# Altium PCB PCB_Organo_Prueba_V3.PcbDoc (part 2 of 2)
Units mm, origin at the board's own origin, x right, y up, seen from the top; angles counter-clockwise.
Board outline 127.36 x 89.76 mm, 2 copper layers (Top Layer, Bottom Layer); 91 components, 109 nets, 411 pads, 117 vias.
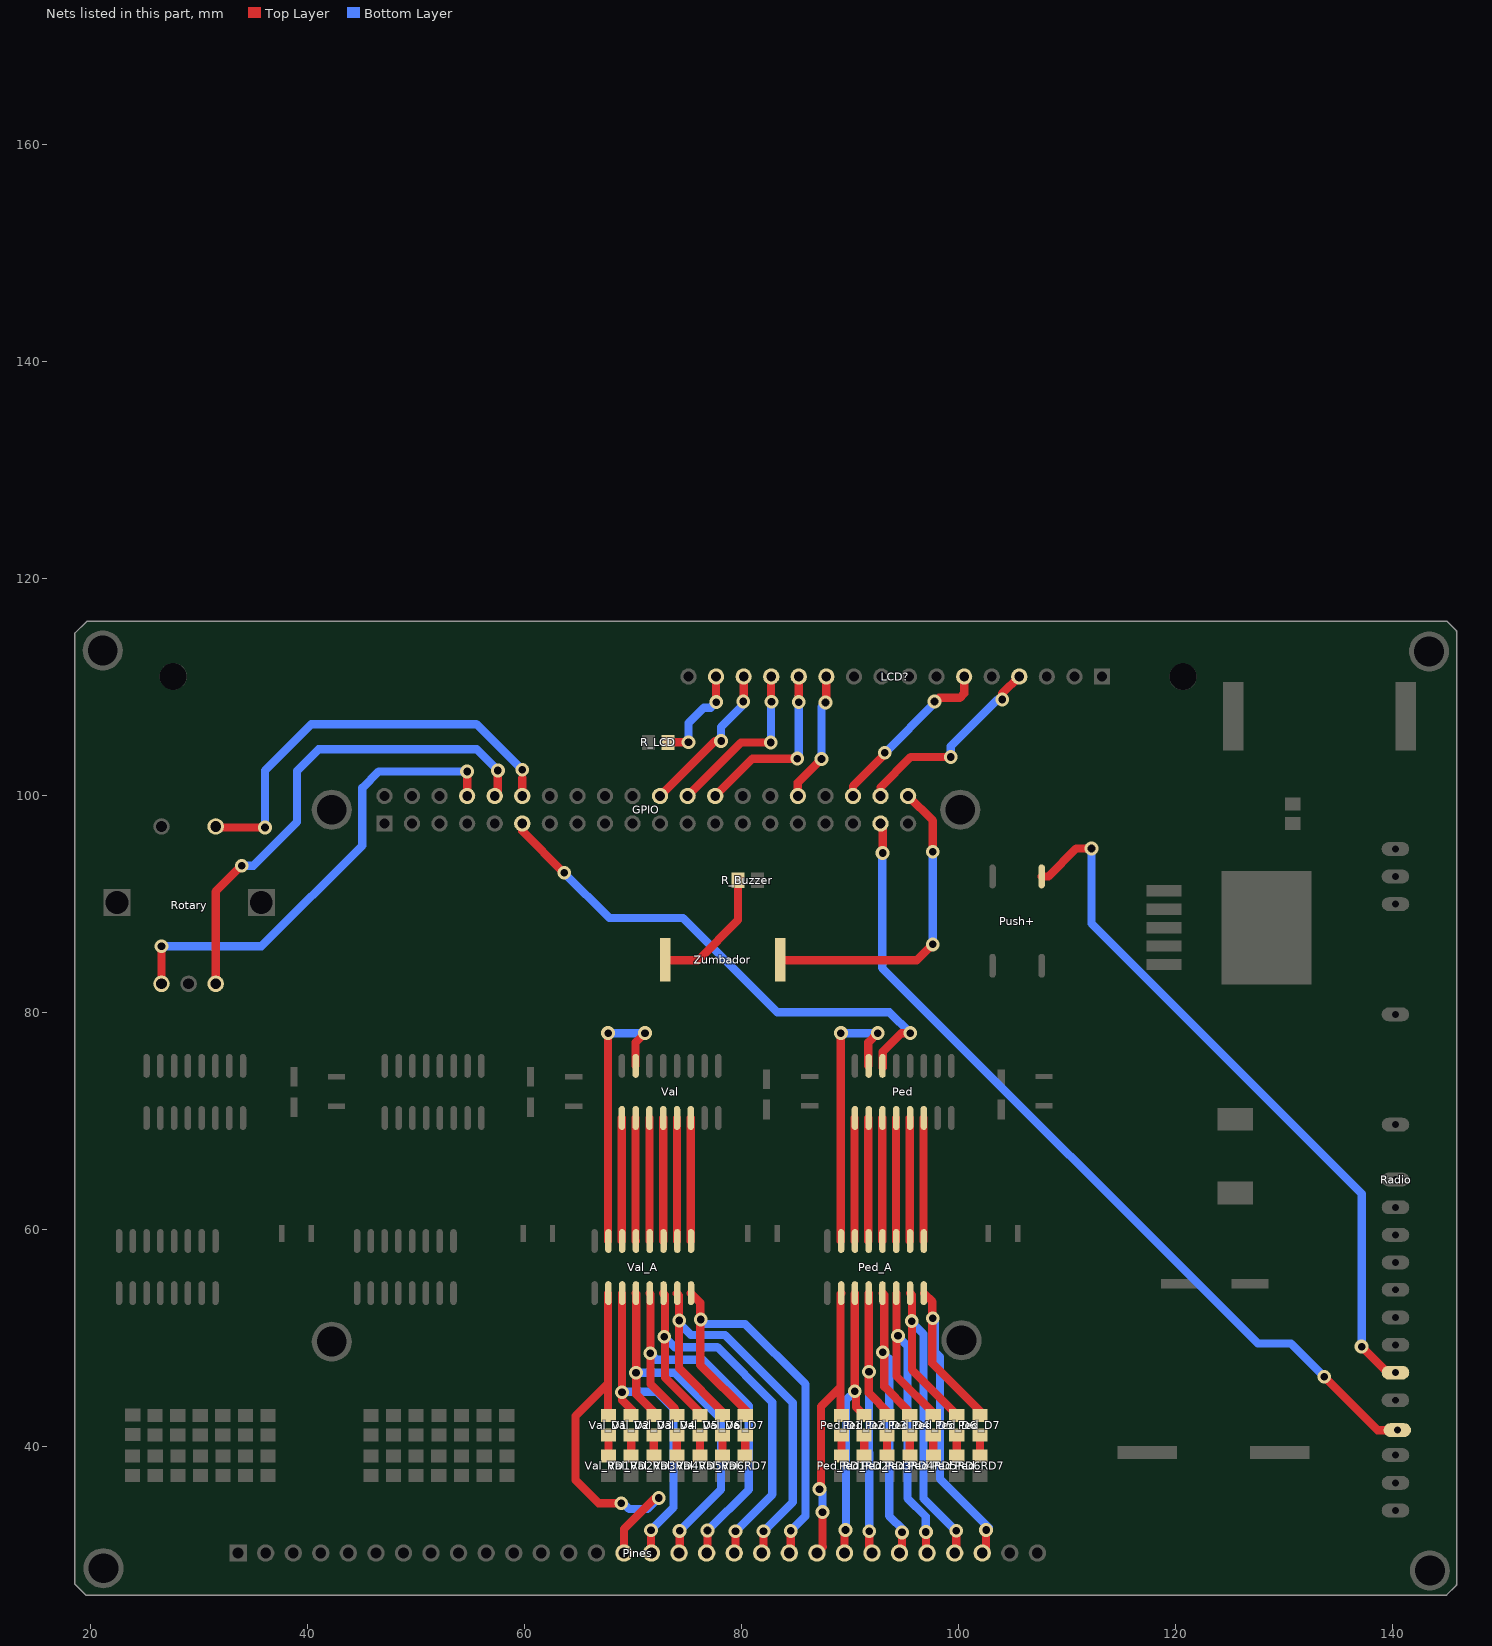
[diagram p2: the nets of this part, all layers, seen from the top]

## Via types
v1: diameter 1.27, hole 0.711, Top Layer to Bottom Layer, 117 vias

## Nets (pads, with @x,y where several pads share a name; then routed paths per layer and width w, separated by ;. In a path a pad name is that pad's centre, name@x,y a point inside that pad or via, vN(x,y) a via of type N, cw(c..) or ccw(c..) an arc to the next point about the centre after c; other vN are vias at no path point) (continued)
NetGPIO_8: GPIO.8 Rotary.A | length 43.7
  Top Layer w0.762: Rotary.A@26.518,82.677 v1(26.518,86.144) ; GPIO.8@54.686,99.987 v1(54.686,102.248)
  Bottom Layer w0.762: v1(26.518,86.144) 35.738,86.144 45.021,95.428 45.021,100.736 46.533,102.248 v1(54.686,102.248)
NetGPIO_10: GPIO.10 Rotary.B | length 46
  Top Layer w0.762: Rotary.B@31.518,82.677 31.518,91.169 v1(33.909,93.561) ; GPIO.10@57.226,99.987 57.518,100.279 v1(57.518,102.337)
  Bottom Layer w0.762: v1(33.909,93.561) 34.989,93.561 39.014,97.587 39.014,102.298 40.996,104.28 55.575,104.28 v1(57.518,102.337)
NetGPIO_11: GPIO.11 Ped.14 | length 48.9
  Top Layer w0.762: GPIO.11@59.766,97.447 59.766,96.761 v1(63.627,92.9) ; Ped.14@92.977,74.968 92.977,76.403 94.704,78.13 v1(95.529,78.13)
  Bottom Layer w0.762: v1(63.627,92.9) 67.793,88.735 74.587,88.735 83.274,80.048 93.612,80.048 v1(95.529,78.13)
NetGPIO_12: GPIO.12 Rotary.E | length 38.8
  Top Layer w0.762: Rotary.E@31.518,97.177 31.622,97.072 v1(36.062,97.072) ; GPIO.12@59.766,99.987 59.766,101.625 59.792,101.651
  Bottom Layer w0.762: v1(36.062,97.072) 36.062,102.343 40.322,106.604 55.537,106.604 v1@59.766,102.375
  other v1: 59.766,102.4
NetGPIO_22: GPIO.22 LCD?.14 | length 14.8
  Top Layer w0.762: GPIO.22@72.466,99.987 77.534,105.054 v1(78.092,105.054) ; v1(80.137,108.687) 80.17,108.72 LCD?.14@80.17,110.99
  Bottom Layer w0.762: v1(78.092,105.054) 78.092,106.35 80.124,108.382 v1@80.124,108.991
NetGPIO_24: GPIO.24 LCD?.13 | length 16.1
  Top Layer w0.762: GPIO.24@75.006,99.987 79.934,104.915 v1(82.677,104.915) ; v1@82.69,108.991 82.69,110.97 LCD?.13@82.71,110.99
  Bottom Layer w0.762: v1(82.677,104.915) 82.69,104.927 v1@82.69,109.245
  other v1: 82.74,108.674
NetGPIO_26: GPIO.26 LCD?.12 | length 16.9
  Top Layer w0.762: GPIO.26@77.546,99.987 80.988,103.429 v1(85.103,103.429) ; v1@85.242,108.928 85.242,110.982 LCD?.12@85.25,110.99
  Bottom Layer w0.762: v1(85.103,103.429) 85.242,103.569 v1@85.242,109.182
  other v1: 85.242,108.636
NetGPIO_32: GPIO.32 LCD?.11 | length 12
  Top Layer w0.762: GPIO.32@85.166,99.987 85.166,101.219 v1(87.338,103.391) ; v1@87.79,108.598 LCD?.11@87.79,110.99
  Bottom Layer w0.762: v1(87.338,103.391) 87.338,108.217 87.465,108.344 v1@87.719,108.344
  other v1: 87.719,108.598
NetGPIO_36: GPIO.36 LCD?.6 | length 16.4
  Top Layer w0.762: GPIO.36@90.246,99.987 90.246,100.889 v1@93.383,104.026 ; v1@97.796,108.655 98.171,109.029 100.089,109.029 100.49,109.431 LCD?.6@100.49,110.99
  Bottom Layer w0.762: v1(93.18,103.962) v1@97.765,108.547
  other v1: 97.765,108.687
NetGPIO_37: GPIO.37 Radio.22 | length 78.5
  Top Layer w0.762: GPIO.37@92.786,97.447 92.977,97.257 v1(92.977,94.729) ; v1(133.667,46.469) 138.595,41.542 Radio.22@140.411,41.542
  Bottom Layer w0.762: v1@92.939,94.729 92.939,84.15 127.559,49.53 130.607,49.53 v1(133.667,46.469)
NetGPIO_38: GPIO.38 LCD?.4 | length 18.7
  Top Layer w0.762: GPIO.38@92.786,99.987 92.786,100.787 95.567,103.569 v1(99.263,103.569) ; v1(104,108.877) 104,109.42 LCD?.4@105.57,110.99
  Bottom Layer w0.762: v1(99.263,103.569) 99.263,104.572 103.569,108.877 v1(104,108.877)
NetGPIO_40: GPIO.40 Zumbador.1 | length 29.4
  Top Layer w0.762: Zumbador.1@83.515,84.836 96.114,84.836 v1(97.587,86.309) ; GPIO.40@95.326,99.987 97.599,97.714 v1(97.599,94.844)
  Bottom Layer w0.762: v1(97.587,86.309) v1@97.587,94.907
NetLCD?_15: LCD?.15 R_LCD.1 | length 9.4
  Top Layer w0.762: R_LCD.1@73.188,104.927 v1(75.095,104.927) ; v1@77.622,108.636 77.622,110.982 LCD?.15@77.63,110.99
  Bottom Layer w0.762: v1(75.095,104.927) 75.095,106.718 76.505,108.128 77.127,108.128 v1(77.635,108.636)
NetPed_1: Ped.1 Ped_A.6 | length 11.3
  Top Layer w0.508: Ped_A.6@90.393,58.975 Ped_A.6@90.399,58.969
  Top Layer w0.762: Ped_A.6@90.393,58.975 Ped.1@90.393,70.312
NetPed_2: Ped.2 Ped_A.5 | length 11.3
  Top Layer w0.762: Ped.2@91.663,70.312 91.663,58.975 Ped_A.5@91.669,58.969
NetPed_3: Ped.3 Ped_A.4 | length 11.3
  Top Layer w0.762: Ped.3@92.933,70.312 92.933,58.975 Ped_A.4@92.939,58.969
NetPed_4: Ped.4 Ped_A.3 | length 11.3
  Top Layer w0.762: Ped.4@94.203,70.312 94.203,58.975 Ped_A.3@94.209,58.969
NetPed_5: Ped.5 Ped_A.2 | length 11.3
  Top Layer w0.762: Ped.5@95.473,70.312 95.473,58.975 Ped_A.2@95.479,58.969
NetPed_6: Ped.6 Ped_A.1 | length 11.3
  Top Layer w0.762: Ped.6@96.743,70.312 96.749,70.306 Ped_A.1@96.749,58.969
NetPed_15: Ped.15 Ped_A.7 | length 25.9
  Top Layer w0.762: Ped_A.7@89.129,58.969 v1(89.129,78.13) ; Ped.15@91.663,75.112 91.663,77.286 91.675,77.286 v1(92.519,78.13)
  Bottom Layer w0.762: v1(89.129,78.13) v1(92.519,78.13)
NetPed_A_10: Ped_A.10 Ped_D1.2 Pines.22 | length 27.8
  Top Layer w0.762: Pines.22@86.919,30.213 87.49,30.785 87.427,30.848 v1(87.427,33.985) ; v1(87.16,36.106) 87.3,36.246 87.3,43.713 89.09,45.504 ; Ped_A.10@89.167,54.156 89.09,54.08 89.09,45.504 ; Ped_D1.2@89.18,42.905 89.09,42.994 89.09,45.504
  Bottom Layer w0.762: v1(87.16,36.106) 87.427,35.839 v1(87.427,33.985)
NetPed_A_11: Ped_A.11 Ped_D2.2 Pines.23 | length 26.8
  Top Layer w0.762: Pines.23@89.459,30.213 89.459,32.233 v1(89.56,32.334) ; v1@90.399,45.123 90.399,54.118 Ped_A.11@90.437,54.156 ; v1(90.411,45.123) 90.527,45.007 90.527,43.659 Ped_D2.2@91.211,42.975
  Bottom Layer w0.762: v1@89.599,32.334 89.599,44.31 v1(90.411,45.123)
NetPed_A_12: Ped_A.12 Ped_D3.2 Pines.24 | length 28.6
  Top Layer w0.762: Ped_A.12@91.707,54.156 91.707,44.958 Ped_D3.2@93.568,43.097 ; v1(91.745,32.233) 91.745,30.467 Pines.24@91.999,30.213
  Bottom Layer w0.762: v1(91.719,46.914) v1(91.745,32.233)
NetPed_A_13: Ped_A.13 Ped_D4.2 Pines.25 | length 31.7
  Top Layer w0.762: Ped_A.13@92.977,54.156 93.129,54.004 93.129,45.542 95.275,43.396 Ped_D4.2@95.275,42.683 ; Pines.25@94.539,30.213 94.767,30.442 v1(94.767,32.118)
  Bottom Layer w0.762: v1(92.989,48.717) 93.586,48.12 93.586,33.642 v1@94.939,32.29
NetPed_A_14: Ped_A.14 Ped_D5.2 Pines.26 | length 33.6
  Top Layer w0.762: Ped_A.14@94.247,54.156 94.259,54.143 94.259,46.507 Ped_D5.2@97.753,43.014 ; v1(96.965,32.156) 96.965,30.328 Pines.26@97.079,30.213
  Bottom Layer w0.762: v1@94.31,50.241 95.275,49.276 95.275,35.255 96.952,33.579 v1@96.952,32.271
  other v1: 94.399,50.228
NetPed_A_15: Ped_A.15 Ped_D6.2 Pines.27 | length 36.2
  Top Layer w0.762: Ped_A.15@95.517,54.156 95.682,53.991 95.682,47.104 Ped_D6.2@99.829,42.957 ; Pines.27@99.619,30.213 99.771,30.366 v1(99.771,32.271)
  Bottom Layer w0.762: v1@95.58,51.575 96.753,50.402 96.753,35.251 v1@99.752,32.252
  other v1: 95.656,51.587
NetPed_A_16: Ped_A.16 Ped_D7.2 Pines.28 | length 37
  Top Layer w0.762: Ped_A.16@96.787,54.156 97.561,53.381 97.561,47.676 Ped_D7.2@102.134,43.103 ; Pines.28@102.159,30.213 102.514,30.569 v1(102.514,32.334)
  Bottom Layer w0.762: v1(97.599,51.854) 97.769,51.685 97.769,48.793 98.26,48.302 98.26,37.059 v1@102.749,32.569
NetPed_D1_1: Ped_D1.1 Ped_RD1.1 | length 1.9
  Top Layer w0.762: Ped_RD1.1@89.192,39.178 Ped_D1.1@89.192,41.086
NetPed_D2_1: Ped_D2.1 Ped_RD2.1 | length 1.9
  Top Layer w0.762: Ped_RD2.1@91.275,39.178 Ped_D2.1@91.275,41.086
NetPed_D3_1: Ped_D3.1 Ped_RD3.1 | length 1.9
  Top Layer w0.762: Ped_RD3.1@93.37,39.178 Ped_D3.1@93.37,41.086
NetPed_D4_1: Ped_D4.1 Ped_RD4.1 | length 1.9
  Top Layer w0.762: Ped_D4.1@95.479,41.086 95.479,39.191 Ped_RD4.1@95.491,39.178
NetPed_D5_1: Ped_D5.1 Ped_RD5.1 | length 1.9
  Top Layer w0.762: Ped_D5.1@97.638,41.086 97.638,39.203 Ped_RD5.1@97.663,39.178
NetPed_D6_1: Ped_D6.1 Ped_RD6.1 | length 1.9
  Top Layer w0.762: Ped_RD6.1@99.809,39.178 Ped_D6.1@99.809,41.086
NetPed_D7_1: Ped_D7.1 Ped_RD7.1 | length 1.9
  Top Layer w0.762: Ped_RD7.1@101.943,39.178 Ped_D7.1@101.943,41.086
NetPines_15: Pines.15 Val_A.10 Val_D1.2 | length 37.2
  Top Layer w0.762: Val_D1.2@67.678,42.937 67.678,45.847 ; Val_A.10@67.678,54.156 67.678,45.847 ; v1(68.885,34.811) 66.802,34.811 64.681,36.932 64.681,42.85 67.678,45.847 ; Pines.15@69.139,30.213 69.139,32.432 70.387,33.68 70.396,33.68 72.009,35.293 v1(72.339,35.293)
  Bottom Layer w0.762: v1@68.91,34.976 69.621,34.265 71.31,34.265 v1(72.339,35.293)
NetPines_16: Pines.16 Val_A.11 Val_D2.2 | length 31.3
  Top Layer w0.762: Val_A.11@68.948,54.156 68.961,54.143 68.961,44.298 69.952,43.307 Val_D2.2@69.952,42.937 ; v1(71.628,32.322) 71.628,30.264 Pines.16@71.679,30.213
  Bottom Layer w0.762: v1(68.948,45.034) 68.986,45.072 72.187,45.072 73.711,43.548 73.711,34.404 v1(71.628,32.322)
NetPines_17: Pines.17 Val_A.12 Val_D3.2 | length 35.6
  Top Layer w0.762: Val_A.12@70.218,54.156 70.282,54.093 70.282,44.831 71.958,43.155 Val_D3.2@71.958,42.886 ; Pines.17@74.219,30.213 74.27,30.264 v1(74.27,32.258)
  Bottom Layer w0.762: v1(70.256,46.825) 73.838,46.825 78.092,42.57 78.092,36.081 v1(74.27,32.258)
NetPines_18: Pines.18 Val_A.13 Val_D4.2 | length 38.6
  Top Layer w0.762: Val_A.13@71.488,54.156 71.577,54.067 71.577,45.771 73.825,43.523 73.825,43.102 Val_D4.2@74.054,42.874 ; Pines.18@76.759,30.213 76.848,30.302 v1(76.848,32.283)
  Bottom Layer w0.762: v1@71.526,48.628 72.123,48.031 76.378,48.031 80.645,43.764 80.645,36.081 v1(76.848,32.283)
  other v1: 71.552,48.628
NetPines_19: Pines.19 Val_A.14 Val_D5.2 | length 40.3
  Top Layer w0.762: Val_A.14@72.758,54.156 72.923,53.991 72.923,46.38 Val_D5.2@76.341,42.963 ; Pines.19@79.413,30.328 v1(79.413,32.22)
  Bottom Layer w0.762: v1(72.847,50.152) 73.812,49.187 77.737,49.187 82.817,44.107 82.817,35.623 v1(79.413,32.22)
NetPines_20: Pines.20 Val_A.15 Val_D6.2 | length 41.7
  Top Layer w0.762: Val_A.15@74.016,54.143 74.206,53.953 74.206,47.257 Val_D6.2@78.468,42.995 ; Pines.20@81.839,30.213 82.004,30.378 v1(82.004,32.22)
  Bottom Layer w0.762: v1@74.117,51.486 75.298,50.305 78.448,50.305 84.696,44.056 84.696,34.912 v1(82.004,32.22)
  other v1: 74.231,51.638
NetPines_21: Pines.21 Val_A.16 Val_D7.2 | length 41.3
  Top Layer w0.762: Val_A.16@75.298,54.156 76.162,53.292 76.162,47.549 Val_D7.2@80.518,43.193 ; Pines.21@84.379,30.213 84.506,30.34 v1(84.506,32.258)
  Bottom Layer w0.762: v1@76.276,51.702 76.657,51.321 80.315,51.321 85.865,45.771 85.865,33.617 v1(84.506,32.258)
  other v1: 76.213,51.74
NetPush+_1: Push+.1 Radio.20 | length 66
  Top Layer w0.762: Push+.1@107.632,92.57 108.255,92.57 110.82,95.136 v1(112.23,95.136) ; v1(137.122,49.238) 139.522,46.838 Radio.20@140.246,46.838
  Bottom Layer w0.762: v1(112.23,95.136) 112.23,88.227 137.122,63.335 v1(137.122,49.238)
NetR_Buzzer_2: R_Buzzer.2 Zumbador.2 | length 11.9
  Top Layer w0.762: Zumbador.2@73,84.836 75.946,84.836 79.656,88.546 R_Buzzer.2@79.656,92.227
NetVal_1: Val.1 Val_A.6 | length 11.3
  Top Layer w0.508: Val_A.6@68.942,58.975 Val_A.6@68.948,58.969
  Top Layer w0.762: Val_A.6@68.942,58.975 Val.1@68.942,70.312
NetVal_2: Val.2 Val_A.5 | length 11.3
  Top Layer w0.762: Val.2@70.212,70.312 70.212,58.975 Val_A.5@70.218,58.969
NetVal_3: Val.3 Val_A.4 | length 11.3
  Top Layer w0.762: Val.3@71.482,70.312 71.482,58.975 Val_A.4@71.488,58.969
NetVal_4: Val.4 Val_A.3 | length 11.3
  Top Layer w0.762: Val.4@72.752,70.312 72.752,58.975 Val_A.3@72.758,58.969
NetVal_5: Val.5 Val_A.2 | length 11.3
  Top Layer w0.762: Val.5@74.022,70.312 74.022,58.975 Val_A.2@74.028,58.969
NetVal_6: Val.6 Val_A.1 | length 11.3
  Top Layer w0.762: Val.6@75.292,70.312 75.298,70.306 Val_A.1@75.298,58.969
NetVal_15: Val.15 Val_A.7 | length 25.9
  Top Layer w0.762: Val_A.7@67.678,58.969 v1(67.678,78.13) ; Val.15@70.212,75.112 70.212,77.286 70.225,77.286 v1(71.069,78.13)
  Bottom Layer w0.762: v1(67.678,78.13) v1(71.069,78.13)
NetVal_D1_1: Val_D1.1 Val_RD1.1 | length 1.9
  Top Layer w0.762: Val_RD1.1@67.704,39.178 Val_D1.1@67.704,41.086
NetVal_D2_1: Val_D2.1 Val_RD2.1 | length 1.9
  Top Layer w0.762: Val_RD2.1@69.799,39.178 Val_D2.1@69.799,41.086
NetVal_D3_1: Val_D3.1 Val_RD3.1 | length 1.9
  Top Layer w0.762: Val_RD3.1@71.895,39.178 Val_D3.1@71.895,41.086
NetVal_D4_1: Val_D4.1 Val_RD4.1 | length 1.9
  Top Layer w0.762: Val_RD4.1@74.016,39.178 Val_D4.1@74.016,41.086
NetVal_D5_1: Val_D5.1 Val_RD5.1 | length 1.9
  Top Layer w0.762: Val_RD5.1@76.136,39.178 Val_D5.1@76.136,41.086
NetVal_D6_1: Val_D6.1 Val_RD6.1 | length 1.9
  Top Layer w0.762: Val_RD6.1@78.219,39.178 Val_D6.1@78.219,41.086
NetVal_D7_1: Val_D7.1 Val_RD7.1 | length 1.9
  Top Layer w0.762: Val_RD7.1@80.302,39.178 80.315,39.191 Val_D7.1@80.315,41.086
pads on no net: 1T.7 1T.9 2T.7 2T.9 GPIO.1 GPIO.16 GPIO.17 GPIO.18 GPIO.19 GPIO.21 GPIO.23 GPIO.27 GPIO.28 GPIO.29 GPIO.31 GPIO.33 GPIO.35 LCD?.3 LCD?.7 LCD?.8 LCD?.9 LCD?.10 Ped.7 Ped.9 Pines.29 Push+.2 Push+.4 Radio.3 Radio.11 Radio.13 Radio.14 Radio.17 Radio.23 Radio.24 Radio.25 Rotary. Val.7 Val.9
copper on no net:
  other v1: 35.306,77.787 78.676,77.787 56.718,77.826

## Polygon pours and split planes (outlines as drawn)
GND on Top Layer "GND" (solid, remove dead copper, pour order 9): 19.666,116.085 144.958,116.085 145.879,115.164 145.879,27.282 145.863,27.267 144.92,26.323 19.553,26.323 19.537,26.339 18.538,27.338 18.538,114.947 18.522,114.963
12V on Top Layer "12V" (solid, remove dead copper, pour order 5): 19.666,116.085 144.958,116.085 145.879,115.164 145.847,115.132 145.847,27.426 145.847,27.277 144.882,26.311 144.87,26.323 19.63,26.323 19.553,26.323 18.538,27.338 18.538,115.002
5V on Top Layer "5V" (solid, remove dead copper, pour order 12): 19.666,116.085 144.958,116.085 145.879,115.164 145.847,115.132 145.847,27.228 144.958,26.339 144.943,26.323 19.576,26.323 19.553,26.323 18.538,27.338 18.522,27.354 18.522,114.963

## Other copper
Top Layer:
  rectangle net 12V: 88.278,36.284 107.62,38.252
  rectangle net 12V: 81.839,38.1 84.404,45.098
  rectangle net 12V: 66.688,36.297 84.417,38.265
  rectangle net 12V: 80.442,45.047 83.109,53.264
  rectangle net 12V: 82.486,36.728 84.43,55.804
  rectangle net 12V: 60.084,36.728 62.027,55.804
  rectangle net 12V: 58.039,45.047 60.706,53.264
  rectangle net 12V: 44.285,36.297 62.014,38.265
  rectangle net 12V: 59.436,38.1 62.001,45.098
  rectangle net 12V: 37.363,37.948 39.929,44.945
  rectangle net 12V: 22.212,36.055 39.941,38.303
  rectangle net 12V: 35.966,44.895 38.633,53.111
  rectangle net 12V: 38.354,36.576 38.443,38.1
  rectangle net 12V: 38.011,36.576 39.954,55.651
  rectangle net 12V: 107.264,56.642 111.455,61.265
  rectangle net 12V: 98.222,54.915 105.461,57.937
  rectangle net 12V: 76.606,54.915 83.845,57.785
  rectangle net 12V: 54.75,54.915 61.989,57.645
  rectangle net 12V: 32.855,55.359 40.094,58.153
  rectangle net 12V: 20.955,56.248 105.093,56.896
  rectangle net 12V: 19.952,55.537 20.955,56.896
  rectangle net 5V: 99.251,80.988 101.168,94.094
  rectangle net 5V: 99.251,87.706 101.168,88.798
  rectangle net Net1T_1: 24.651,69.101 25.603,71.577
  rectangle net Net1T_2: 25.921,69.101 26.873,71.577
  rectangle net Net1T_3: 27.191,69.101 28.143,71.577
  rectangle net Net1T_4: 28.473,69.101 29.426,71.577
  rectangle net Net1T_5: 29.743,69.088 30.696,71.577
  rectangle net Net1T_6: 31.013,69.088 31.966,71.577
  rectangle net Net1T_15: 25.946,73.812 26.899,76.289
  rectangle net Net1T_15: 23.393,57.683 24.346,60.16
  rectangle net Net1T_1: 24.663,57.683 25.616,60.16
  rectangle net Net1T_2: 25.933,57.683 26.886,60.16
  rectangle net Net1T_3: 27.203,57.683 28.156,60.16
  rectangle net Net1T_4: 28.461,57.683 29.413,60.16
  rectangle net Net1T_5: 29.743,57.683 30.696,60.16
  rectangle net Net1T_6: 31.039,57.696 31.991,60.173
  rectangle net Net2T_6: 52.984,57.721 53.937,60.198
  rectangle net Net2T_5: 51.689,57.709 52.642,60.185
  rectangle net Net2T_4: 50.406,57.709 51.359,60.185
  rectangle net Net2T_3: 49.149,57.709 50.102,60.185
  rectangle net Net2T_2: 47.879,57.709 48.831,60.185
  rectangle net Net2T_1: 46.609,57.709 47.561,60.185
  rectangle net Net2T_15: 45.339,57.709 46.291,60.185
  rectangle net Net2T_15: 47.892,73.838 48.844,76.314
  rectangle net Net2T_6: 52.959,69.113 53.911,71.603
  rectangle net Net2T_5: 51.689,69.113 52.642,71.603
  rectangle net Net2T_4: 50.419,69.126 51.371,71.603
  rectangle net Net2T_3: 49.136,69.126 50.089,71.603
  rectangle net Net2T_2: 47.866,69.126 48.819,71.603
  rectangle net Net2T_1: 46.596,69.126 47.549,71.603
  rectangle net NetVal_6: 74.841,57.696 75.794,60.173
  rectangle net NetVal_5: 73.546,57.683 74.498,60.16
  rectangle net NetVal_4: 72.263,57.683 73.215,60.16
  rectangle net NetVal_3: 71.006,57.683 71.958,60.16
  rectangle net NetVal_2: 69.736,57.683 70.688,60.16
  rectangle net NetVal_1: 68.466,57.683 69.418,60.16
  rectangle net NetVal_15: 67.196,57.683 68.148,60.16
  rectangle net NetVal_15: 69.748,73.812 70.701,76.289
  rectangle net NetVal_6: 74.816,69.088 75.768,71.577
  rectangle net NetVal_5: 73.546,69.088 74.498,71.577
  rectangle net NetVal_4: 72.276,69.101 73.228,71.577
  rectangle net NetVal_3: 70.993,69.101 71.945,71.577
  rectangle net NetVal_2: 69.723,69.101 70.675,71.577
  rectangle net NetVal_1: 68.453,69.101 69.406,71.577
  rectangle net NetPed_6: 96.291,57.696 97.244,60.173
  rectangle net NetPed_5: 94.996,57.683 95.948,60.16
  rectangle net NetPed_4: 93.713,57.683 94.666,60.16
  rectangle net NetPed_3: 92.456,57.683 93.408,60.16
  rectangle net NetPed_2: 91.186,57.683 92.138,60.16
  rectangle net NetPed_1: 89.916,57.683 90.868,60.16
  rectangle net NetPed_15: 88.646,57.683 89.599,60.16
  rectangle net NetPed_15: 91.199,73.812 92.151,76.289
  rectangle net NetPed_6: 96.266,69.088 97.218,71.577
  rectangle net NetPed_5: 94.996,69.088 95.948,71.577
  rectangle net NetPed_4: 93.726,69.101 94.678,71.577
  rectangle net NetPed_3: 92.443,69.101 93.396,71.577
  rectangle net NetPed_2: 91.173,69.101 92.126,71.577
  rectangle net NetPed_1: 89.903,69.101 90.856,71.577
  rectangle net Net1T_A_16: 31.039,52.972 31.991,55.448
  rectangle net Net1T_A_15: 29.743,52.959 30.696,55.435
  rectangle net Net1T_A_14: 28.461,52.959 29.413,55.435
  rectangle net Net1T_A_13: 27.203,52.959 28.156,55.435
  rectangle net Net1T_A_12: 25.933,52.959 26.886,55.435
  rectangle net Net1T_A_11: 24.663,52.959 25.616,55.435
  rectangle net Net1T_A_10: 23.393,52.959 24.346,55.435
  rectangle net Net2T_A_10: 45.339,52.946 46.291,55.423
  rectangle net Net2T_A_11: 46.609,52.946 47.561,55.423
  rectangle net Net2T_A_12: 47.879,52.946 48.831,55.423
  rectangle net Net2T_A_13: 49.149,52.946 50.102,55.423
  rectangle net Net2T_A_14: 50.406,52.946 51.359,55.423
  rectangle net Net2T_A_15: 51.689,52.946 52.642,55.423
  rectangle net Net2T_A_16: 52.984,52.959 53.937,55.435
  rectangle net NetPines_15: 67.196,52.946 68.148,55.423
  rectangle net NetPines_16: 68.466,52.946 69.418,55.423
  rectangle net NetPines_17: 69.736,52.946 70.688,55.423
  rectangle net NetPines_18: 71.006,52.946 71.958,55.423
  rectangle net NetPines_19: 72.263,52.946 73.215,55.423
  rectangle net NetPines_20: 73.571,52.946 74.524,55.423
  rectangle net NetPines_21: 74.841,52.959 75.794,55.435
  rectangle net NetPed_A_10: 88.684,52.946 89.637,55.423
  rectangle net NetPed_A_11: 89.954,52.946 90.907,55.423
  rectangle net NetPed_A_12: 91.224,52.946 92.177,55.423
  rectangle net NetPed_A_13: 92.494,52.946 93.447,55.423
  rectangle net NetPed_A_14: 93.764,52.946 94.717,55.423
  rectangle net NetPed_A_15: 95.059,52.946 96.012,55.423
  rectangle net NetPed_A_16: 96.329,52.959 97.282,55.435
  rectangle net 5V: 24.651,73.787 25.603,76.263
  rectangle net 5V: 32.258,73.825 33.21,76.302
  rectangle net 5V: 54.254,73.736 55.207,76.213
  rectangle net 5V: 46.647,73.698 47.6,76.175
  rectangle net 5V: 76.111,73.787 77.064,76.263
  rectangle net 5V: 68.504,73.749 69.456,76.225
  rectangle net 5V: 97.574,73.736 98.527,76.213
  rectangle net 5V: 89.967,73.698 90.919,76.175
  rectangle net 5V: 19.228,79.134 108.509,81.636
  rectangle net 5V: 80.226,72.746 87.351,79.489
  rectangle net 5V: 58.382,73.025 65.507,79.769
  rectangle net 12V: 104.394,53.708 107.264,61.265
  rectangle net 12V: 43.256,52.527 45.047,56.502
  rectangle net 12V: 19.266,52.235 23.063,56.896
  rectangle net 12V: 65.138,52.565 66.929,56.413
  rectangle net 12V: 85.623,52.476 88.354,56.451
  rectangle net 12V: 82.313,52.481 86.042,68.974
  rectangle net 12V: 61.468,52.565 65.202,69.063
  rectangle net 12V: 39.522,52.527 43.256,69.025
  rectangle net 5V: 19.228,60.922 22.327,79.134
  rectangle net 12V: 110.973,53.708 114.046,72.796
  rectangle net 12V: 114.046,53.708 122.339,61.519
  rectangle net Net1T_14: 27.178,73.8 28.13,76.276
  rectangle net Net2T_14: 49.2,73.812 50.152,76.289
  rectangle net NetGPIO_7: 71.018,73.762 71.971,76.238
  rectangle net NetGPIO_11: 92.494,73.762 93.447,76.238
  rectangle net 12V: 110.973,90.449 120.65,92.786
  rectangle net 12V: 110.973,72.263 114.046,90.449
  rectangle net 5V: 30.747,103.378 70.117,113.335
  rectangle net 5V: 45.961,98.704 50.902,103.632
  rectangle net 5V: 68.529,102.972 72.25,107.62
  rectangle net 5V: 23.622,101.968 39.535,106.489
  rectangle net 5V: 23.622,92.723 29.731,102.184
  rectangle net 5V: 123.774,98.577 134.353,112.001
  rectangle net 5V: 108.966,104.229 127.61,107.963
  rectangle net 5V: 72.174,106.375 110.68,107.62
  rectangle net 5V: 80.709,87.719 99.301,93.675
  rectangle net 5V: 102.705,97.587 110.604,107.188
  rectangle net 5V: 136.436,93.967 144.793,96.558
  rectangle net 5V: 143.015,31.979 144.793,93.967
  rectangle net 5V: 138.011,58.064 144.577,60.706
  rectangle net 5V: 126.149,34.023 133.553,45.085
  rectangle net 5V: 134.468,80.023 137.325,96.545
  rectangle net 5V: 115.799,75.882 137.325,80.023
  rectangle net 5V: 115.786,85.407 120.663,86.804
  rectangle net 5V: 115.786,79.324 116.929,85.407
  rectangle net 12V: 106.324,28.13 111.823,54.597
  rectangle net NetD_Back_K: 138.925,103.594 143.243,110.947
  rectangle net 5V: 109.588,107.861 111.76,112.344
  rectangle net Net1T_A_10: 32.563,28.918 34.658,33.452
  rectangle net Net1T_A_11: 34.963,28.943 37.059,33.477
  rectangle net Net1T_A_12: 37.554,28.943 39.649,33.477
  rectangle net Net1T_A_13: 40.03,28.943 42.126,33.477
  rectangle net Net1T_A_14: 42.545,28.943 44.64,33.477
  rectangle net Net1T_A_15: 45.136,28.918 47.231,33.452
  rectangle net Net1T_A_16: 47.625,28.918 49.721,33.452
  rectangle net Net2T_A_10: 50.292,28.918 52.387,33.452
  rectangle net Net2T_A_11: 52.857,28.918 54.953,33.452
  rectangle net Net2T_A_12: 55.397,28.918 57.493,33.452
  rectangle net Net2T_A_13: 57.899,28.931 59.995,33.465
  rectangle net Net2T_A_14: 60.439,28.931 62.535,33.465
  rectangle net Net2T_A_15: 62.979,28.943 65.075,33.477
  rectangle net Net2T_A_16: 65.57,28.943 67.666,33.477
  rectangle net NetPines_15: 68.148,28.931 70.244,33.465
  rectangle net NetPines_16: 70.828,28.918 72.834,33.185
  rectangle net NetPines_17: 73.241,28.905 75.336,33.439
  rectangle net NetPines_18: 75.844,28.88 77.94,33.414
  rectangle net NetPines_19: 78.334,28.842 80.429,33.376
  rectangle net NetPines_20: 80.924,28.829 83.02,33.363
  rectangle net NetPines_21: 83.35,28.829 85.446,33.363
  rectangle net NetPed_A_10: 85.903,28.842 87.998,33.376
  rectangle net NetPed_A_11: 88.43,28.842 90.526,33.376
  rectangle net NetPed_A_12: 90.881,28.854 92.977,33.388
  rectangle net NetPed_A_13: 93.472,28.854 95.567,33.388
  rectangle net NetPed_A_14: 95.987,28.854 98.082,33.388
  rectangle net NetPed_A_15: 98.577,28.854 100.673,33.388
  rectangle net NetPed_A_16: 101.13,28.867 103.226,33.401
  rectangle net 5V: 110.452,97.612 116.167,99.784
  rectangle net 5V: 114.91,99.784 116.167,104.496
  rectangle net 5V: 116.167,97.612 126.06,105.296
  rectangle net 5V: 36.703,75.298 38.443,79.146
  rectangle net 5V: 42.481,74.841 43.929,79.197
  rectangle net 5V: 36.703,73.127 43.917,79.604
Bottom Layer:
  rectangle net Net1T_12: 22.682,62.128 97.193,67.196
  rectangle net Net2T_14: 50.736,82.588 53.886,89.725
  rectangle net NetGPIO_8: 28.029,84.963 35.039,87.478
  rectangle net NetGPIO_7: 57.087,84.226 60.681,92.38
  rectangle net NetGPIO_7: 60.363,84.226 64.008,88.519
  rectangle net NetGPIO_11: 66.002,87.478 75.438,91.389
  rectangle net NetGPIO_37: 107.912,56.528 123.85,68.224
  rectangle net Net1T_11: 35.242,71.107 44.704,74.93
  rectangle net Net1T_11: 57.404,71.336 66.865,75.159
  rectangle net Net1T_11: 78.88,71.183 88.341,75.006
  rectangle net Net1T_12: 19.609,66.129 22.454,86.474
  rectangle net Net1T_12: 19.621,62.128 22.682,67.196
  rectangle net NetPush+_1: 117.831,72.453 133.134,84.43
Multi-Layer:
  text "5V" at 111.392,101.232 h1.52
  text "Modulo" at 137.617,98.768 h0.74
  text "de Radio" at 139.167,97.587 h0.74
  text "Pulsador" at 103.835,95.186 h0.74
  text "Regulador 5V" at 120.32,94.577 h0.74
  text "Rotary" at 37.541,93.637 h0.74
  text "Buzzer" at 73.774,92.113 h0.74
  text "->" at 98.742,66.764 h0.74 r90
  text "Shift Reg." at 98.031,65.468 h0.74
  text "Darglintons" at 98.12,62.738 h0.74
  text "->" at 98.006,61.925 h0.74 r270
  text "12V" at 108.052,55.347 h0.74
  text "1 Tecl." at 33.122,53.734 h0.74
  text "2 Tecl." at 55.118,53.734 h0.74
  text "Val." at 77.457,53.734 h0.74
  text "Ped." at 99.073,53.734 h0.74
  text "GND" at 123.114,28.042 h1.52

## Silkscreen, mask and mechanical layers (free items; w line width, h text height)
Top Overlay:
  lines w0.013: 45.576,95.204 45.576,100.204 96.376,100.204 96.376,95.204 45.576,95.204 ; 45.576,95.229 45.576,100.229 96.376,100.229 96.376,95.229 45.576,95.229
Mechanical 1:
  lines w0.2: 149.911,105.969 149.911,106.934 150.597,107.62 152.933,107.62 ; 151.028,104.775 152.349,104.775
Mechanical 5:
  circle w0.013: c95.106,96.459 r0.8
Mechanical 13:
  lines w0.2: 24.079,26.416 26.543,26.416 122.098,26.416 139.116,26.416 ; 24.41,26.416 19.614,26.416 18.615,27.415 18.615,30.844 18.615,114.925 19.666,115.976 23.851,115.976 24.765,115.976 139.471,115.976 144.958,115.976 145.771,115.164 145.771,113.36 145.771,28.677 145.771,27.305 144.882,26.416 143.51,26.416 138.938,26.416

## Text inside footprints (layer, text, board x,y; h text height)
GPIO: Top Overlay "39" at 95.479,94.221 h1.27; Top Overlay "40" at 95.199,101.816 h1.27; Top Overlay "2" at 45.72,101.968 h1.27; Top Overlay "1" at 45.72,94.424 h1.27